# KiCad board master-circuit.kicad_pcb (continued)
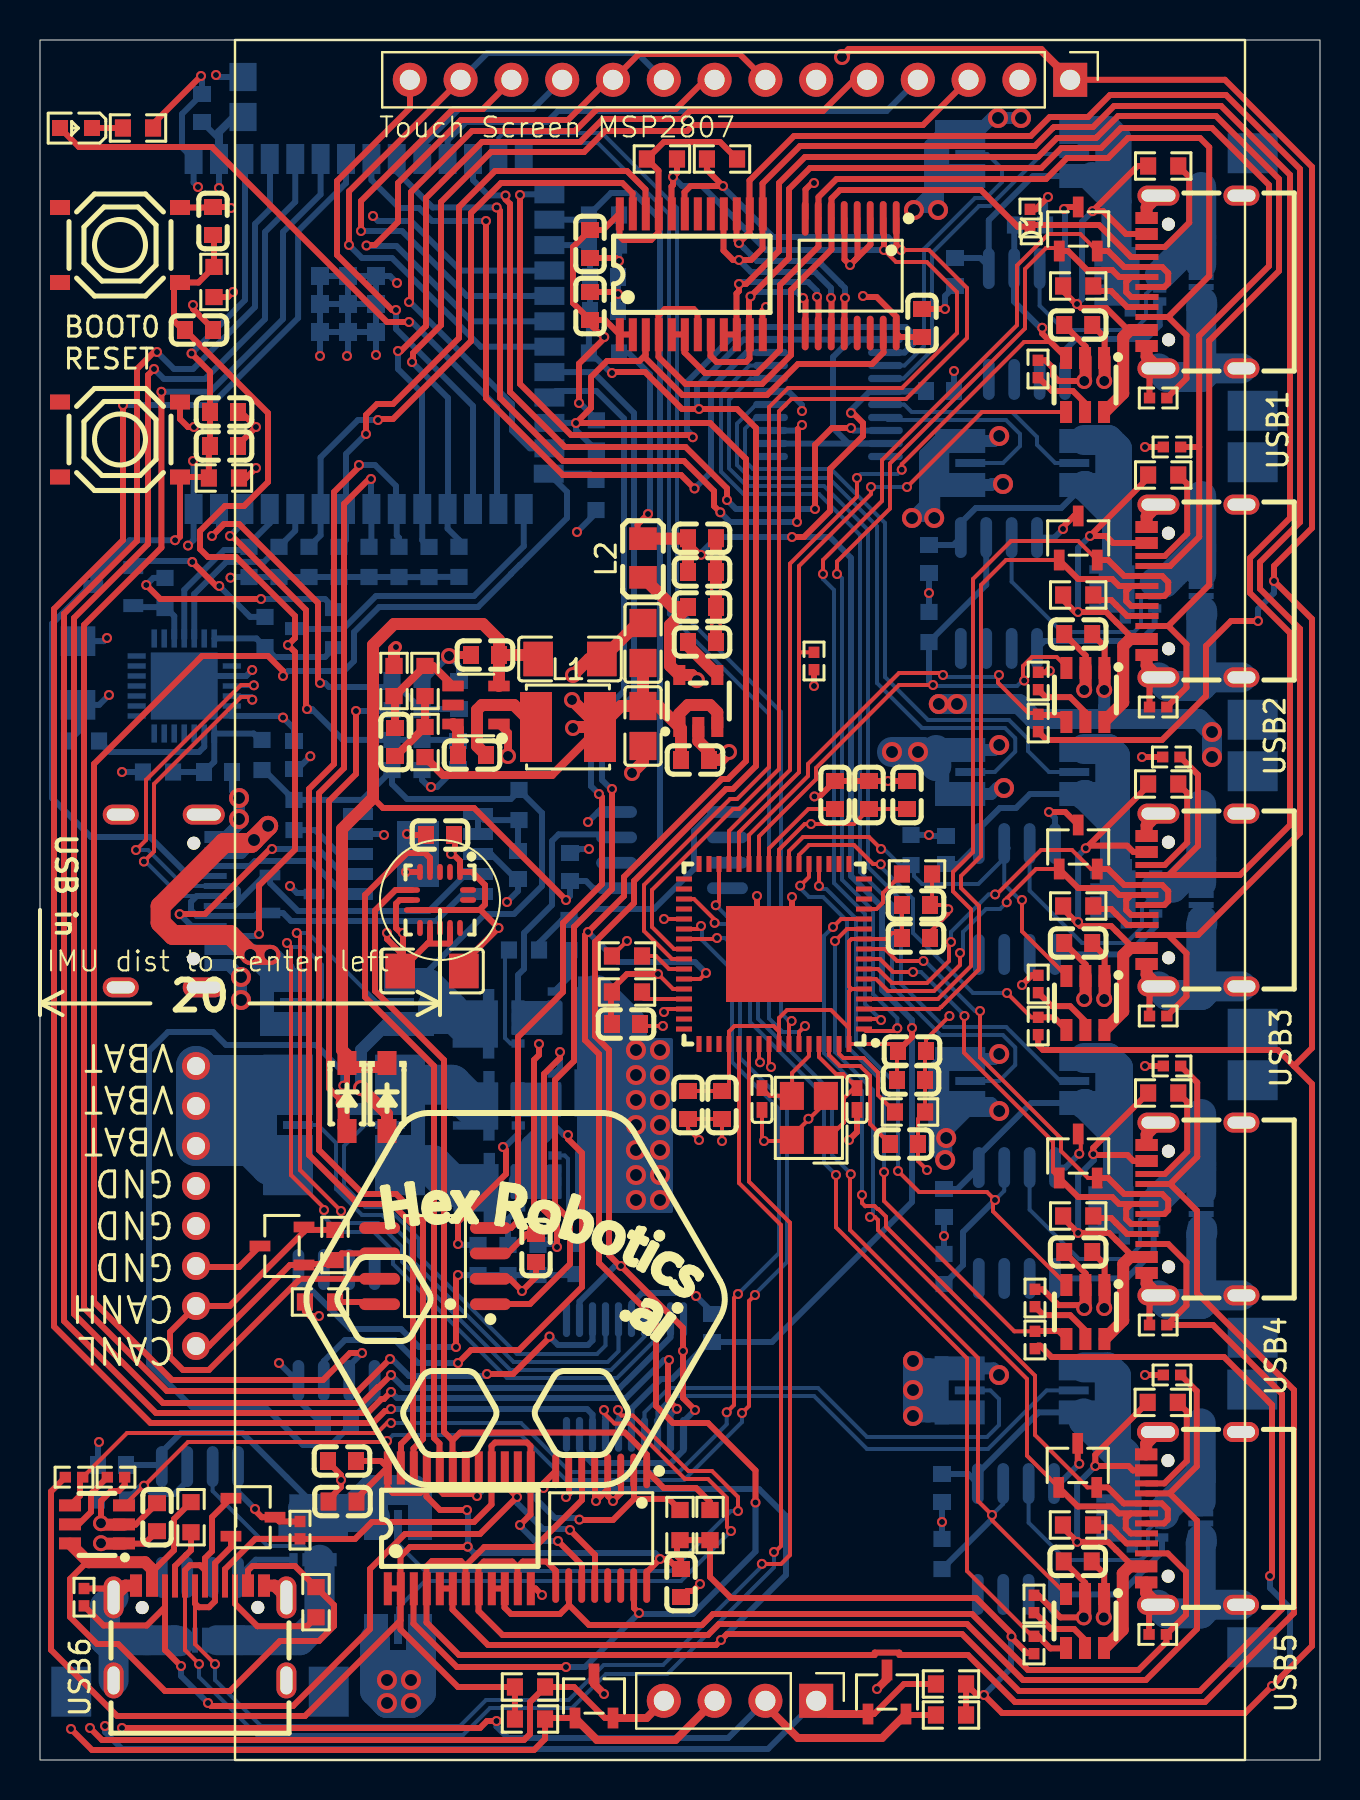
[diagram p0: board, top side]
## Routing (per net, layer and track width the routed paths; a pad name or vN(x,y) marks a point on that pad's centre or on a via; arc(x,y) is an arc through that point) (continued)
  Top w0.3: v1(26,35.4) 26,35.1 25.2,34.3 25.2,27.5 25.85,26.85 v1(25.85,25.65)
  Bottom w0.3: v1(26,35.4) 26,34.61 Q20.4 ; v1(25.85,25.65) 25.7,25.8 24.95,25.8 R92.2
/Gate2-vbus: length 2.4
  Bottom w0.3: R77.2 26.45,39.16 Q16.4
/Gate3-vbattery: length 2.1
  Bottom w0.3: 23.92,27.63 Q21.4 23.94,27.59 23.4,27.05 R93.2
/Gate4-vbattery: length 5.1
  Bottom w0.2: Q22.4 26.24,30.23 26.4,30.06 26.4,26.2 R94.2
/LDO-Bypass-Capacitor: length 2.3
  Top w0.6: U3.4 32.4,55.71 C9.2
/PD-VBUS-DETECT: length 3.7
  Bottom w0.3: R72.2 13.75,46.5 14.95,45.3 U42.8
/PD-VDD: length 4.7
  Bottom w0.3: C29.2 23.9,46.95 R68.2 22.2,47 U42.1 U42.2
/RBIAS: length 5.1
  Top w0.2: U24.63 39.95,35.32 40.17,35.1 41.18,35.1 41.9,34.38 41.9,33.25 R50.1
/RTS-GATE: length 11
  Top w0.3: v1(11.05,58.05) 6.01,58.05 v1(5.31,58.75)
  Bottom w0.3: 14.75,57.55 14.25,58.05 v1(11.05,58.05) ; v1(5.31,58.75) 5.67,59.1 R44.1
/servo-usb-connector1/CC1x: length 3.1
  Top w0.3: USB2.A5 54.35,57.2 53.81,57.74 53.81,57.75 53.56,58 52.91,58 R28.2
/servo-usb-connector1/CC2x: length 5.6
  Top w0.3: USB2.B5 56.24,60.2 57.36,61.32 57.36,63.8 R85.1
/servo-usb-connector1/ILIMx: length 3.3
  Top w0.3: 52.28,51.95 52.28,52.37 51.5,53.14 50.28,53.14 R55.2
/servo-usb-connector2/CC1x: length 3.1
  Top w0.3: USB3.A5 54.35,41.75 53.81,42.29 53.81,42.3 53.56,42.55 52.81,42.55 R46.2
/servo-usb-connector2/CC2x: length 5.6
  Top w0.3: R86.1 57.36,48.35 57.36,45.87 56.24,44.75 USB3.B5
/servo-usb-connector2/ILIMx: length 3.4
  Top w0.3: 49.91,38.37 50.58,37.69 51.5,37.69 52.28,36.92 52.28,36.5
/servo-usb-connector3/CC1x: length 3.1
  Top w0.3: USB4.A5 54.35,26.3 53.81,26.84 53.81,26.85 53.56,27.1 52.76,27.1 R59.2
/servo-usb-connector3/CC2x: length 5.6
  Top w0.3: USB4.B5 56.24,29.3 57.36,30.42 57.36,32.9 R87.1
/servo-usb-connector3/ILIMx: length 3.4
  Top w0.3: 52.28,21.05 52.28,21.47 51.5,22.24 50.17,22.24 49.75,22.67
/servo-usb-connector4/CC1x: length 3.1
  Top w0.3: USB5.A5 54.33,10.83 53.79,11.37 53.79,11.38 53.54,11.63 52.77,11.63 R65.2
/servo-usb-connector4/CC2x: length 5.6
  Top w0.3: R88.1 57.34,17.43 57.34,14.95 56.22,13.83 USB5.B5
/servo-usb-connector4/ILIMx: length 3.5
  Top w0.3: R67.2 49.73,7.37 50.55,6.55 51.71,6.55 52.26,6 52.26,5.58
/servo-usb-connector5/CC1x: length 3
  Top w0.3: USB6.A5 6.75,9.7 7.29,10.24 7.3,10.24 7.55,10.49 R71.2
/servo-usb-connector5/CC2x: length 5.6
  Top w0.3: USB6.B5 9.75,7.81 10.87,6.69 13.35,6.69 R89.1
/servo-usb-connector5/ILIMx: length 3.4
  Top w0.3: 3.37,14.14 2.55,13.32 2.55,12.4 1.92,11.77 1.5,11.77
/servo-usb-connector/CC1x: length 3.1
  Top w0.3: R13.2 52.91,73.45 53.56,73.45 53.81,73.2 53.81,73.19 54.35,72.65 USB1.A5
/servo-usb-connector/CC2x: length 5.7
  Top w0.3: USB1.B5 56.24,75.65 57.46,76.87 57.46,79.15 R76.1
/servo-usb-connector/ILIMx: length 3.3
  Top w0.3: R35.2 49.93,69.12 50.6,68.45 51.65,68.45 52.28,67.82 52.28,67.4
/Source-vbattery: length 31.7
  Top w0.3: v1(20.9,19.85) 21.55,20.5 23.95,20.5 27.1,23.65 27.1,30.35 26.4,31.05 v1(26.4,31.25)
  Bottom w0.3: v1(20.9,19.85) 18.9,19.85 17.75,21 15.25,21 14.19,19.94 U47.3 ; v1(26.4,31.25) 26.2,31.25 24.8,32.65 24.8,33.01
  Bottom w1: Q21.2 24.26,28.93 24.55,29.22 24.55,30.75 25.15,31.35 25.15,32.66 24.8,33.01
/Source-vbus: length 12.3
  Bottom w0.3: Q14.1 23.9,39.25 24.2,39.55 24.2,41.35 25.6,42.75 25.6,45.95 25.93,46.28 28.68,46.28 U46.3
/XTAL1: length 6.5
  Top w0.2: 40.82,33.63 40.82,33.63 40.15,34.3 39.8,34.3 38.95,35.15 U24.61 ; 40.82,33.63 40.73,33.63 40.2,33.1 40.2,31.88 39.34,31.01 39.3,31.01 X2.1 ; 40.82,33.63 C64.1
/XTAL2: length 4.6
  Top w0.2: C69.2 36.48,33.21 37.52,33.21 37.53,33.2 X2.3 37.6,33.21 37.6,34.35 38.45,35.2 U24.60
BATTERY_CURRENT: length 94.1
  Top w0.3: v1(17.5,20.05) 15.9,18.45 6.35,18.45 2.2,22.6 2.2,56.75 6.07,60.62 v1(6.07,68.41) ; v1(22.35,19.3) 23.65,19.3 25.47,21.12 v1(25.47,21.17)
  Bottom w0.3: v1(22.35,19.3) 22.25,19.2 18.45,19.2 17.6,20.05 v1(17.5,20.05) ; v1(6.07,68.41) 8.51,68.41 12.15,72.05 12.15,76.4 14.03,78.28 U1.6 ; v1(25.47,21.17) 25.9,20.75 27.4,20.75 27.62,20.97 U16.13
BATTERY_VOLTAGE: length 20.6
  Top w0.3: v1(14,53.85) 13.9,53.95 13.9,57.85 9.95,61.8 9.2,61.8 v1(8.6,61.2)
  Bottom w0.3: v1(14,53.85) 14.25,53.85 14.45,53.65 17.25,53.65 R48.1 19.1,52.5 R38.2 19.15,52.55 C11.2 ; U1.39 8.95,61.55 v1(8.6,61.2)
BOOT0: length 62.4
  Top w0.3: C25.2 8.7,76.2 R42.2 7.92,73.88 SW1.1 6.7,73.58 6.7,71.95 7.15,71.5 C4.2 11.4,67.35 11.4,63.9 10.2,62.7 9.25,62.7 8,61.45 8,60.55 8.4,60.15 9.8,60.15 12.75,57.2 12.75,56.1 v1(12.4,55.75) 12.75,55.4 12.75,45.53 10.95,43.72 v1(10.95,41.3)
  Bottom w0.3: U1.27 24.19,60.69 21.7,58.2 16.8,58.2 15.15,56.55 12.8,56.55 12.75,56.6 12.75,56.1 v1(12.4,55.75) ; USB0.B8 10.85,41.2 v1(10.95,41.3)
Buck-FB: length 5.6
  Top w0.4: U4.4 19.65,54.7 R56.1 17.74,53.2 R62.2 17.75,53.15 C6.1
CAN_RX: length 48.7
  Top w0.3: v1(27.95,48.3) 28.1,48.15 28.1,43.8 26.15,41.85 26.15,38.4 23.9,36.15 23.9,26.95 23.55,26.6 U17.4
  Bottom w0.3: v1(27.95,48.3) 27.55,48.7 27.55,51.81 29.2,53.46 29.2,67.07 27.82,68.45 25.8,68.45 U1.23
CAN_TX: length 54.8
  Top w0.3: U17.1 22.53,22.8 24.5,22.8 26.5,24.8 26.5,27 25.75,27.75 25.75,34 26.7,34.95 26.7,41.65 28.6,43.55 v1(28.6,48.55)
  Bottom w0.3: U1.22 27.66,69.39 29.7,67.35 29.7,53.25 28.1,51.65 28.1,49 28.55,48.55 v1(28.6,48.55)
CANH: length 24.5
  Top w0.3: U17.7 13,24.06 8.44,19.5 7.15,19.5 6.5,20.15 6.5,21.4 U19.2 9.48,22.7 13.2,26.42 D7.2 13.35,26.5 R16.2
CANL: length 11.1
  Top w0.3: U17.6 15.08,25.33 R16.1 14.75,25 14.55,24.8 13.25,24.8 D7.1 12.5,24.75 8.45,20.7 U19.1
CC1: length 12.8
  Top w0.3: v1(11.6,45.55) 11.5,45.55 8.25,42.3 7.06,42.3 7.06,42.29 v1(6.98,42.29)
  Bottom w0.3: v1(11.6,45.55) 13.9,45.55 15.15,44.3 U42.7 ; USB0.A5 7.58,41.7 v1(6.98,42.29)
CC2: length 7.9
  Bottom w0.3: USB0.B5 10.5,44.7 10.75,44.95 13.54,44.95 15.19,43.3 U42.6
CONNECT_BATTERY: length 79.8
  Top w0.3: v1(12.15,54.2) 12.15,54.45 11.4,55.2 8.1,55.2 2.7,49.8 2.7,22.9 6.6,19 14.15,19 15.5,20.35 v1(16.1,20.35)
  Bottom w0.3: v1(12.15,54.2) 12.4,54.45 15.2,54.45 15.7,54.95 15.7,56.39 16.96,57.65 21.9,57.65 23.55,59.3 23.55,59.31 23.99,59.75 24,59.75 26.35,62.1 26.35,63.41 U1.26 27.49,64.31 R11.2 ; U47.2 15.46,19.71 v1(16.1,20.35)
CONNECT_VBUS: length 40.3
  Bottom w0.3: U1.16 27.21,77.02 R12.2 28.55,78.35 29.7,78.35 31,77.05 31,45.95 29.91,44.86 U46.2
DTR: length 6.6
  Bottom w0.3: U10.28 10.82,56.08 R43.2 11.75,55.15 14.25,55.15 14.75,55.65
ENABLE-ESP32: length 48.9
  Top w0.3: v1(6.75,60.99) 6.77,60.97 6.8,60.97 7,61.17 SW2.1 8.39,64.15 R37.1 8.44,65.64 C1.2 C5.2 8.5,69.4 v1(7.58,70.33)
  Bottom w0.3: v1(7.58,70.33) 10.25,73 10.25,80.02 U1.3 ; v1(6.75,60.99) 4.48,60.99 2.66,59.17 2.66,58.7 2.49,58.7 0.6,56.81 0.6,48.1 2.55,46.15 5.5,46.15 7.45,44.2 USB0.A8
FSPICLK/SPI2_CLK: length 153.4
  Top w0.3: U35.7 34.98,85.3 29.94,85.3 U35.10 28.41,84.01 26.4,82 21.05,82 17.9,78.85 17.9,76.9 16.75,75.75 16.35,75.75 v1(16.32,75.72) ; 19.56,1 3.1,1 v1(2.5,1.6) ; D4.2 28.25,2.1 26.7,3.65 R14.1 24.5,2.9 24.5,1.3 24.2,1 19.6,1
  Top w0.4: U35.18 30.33,2.1 D4.2
  In1.Cu w0.3: v1(16.32,75.72) 15.3,74.7 7.3,74.7 1.75,69.15 1.75,2.35 v1(2.5,1.6)
  Bottom w0.3: U1.20 21.59,71.94 17.83,75.7 16.35,75.7 v1(16.32,75.72)
FSPICS0/MEMORY_CS: length 141
  Top w0.3: R9.1 43.2,3.8 41.7,2.3 D6.1
  Top w0.4: U35.15 39.47,2.3 D6.1
  In1.Cu w0.3: v1(3.25,1.7) 3.25,2.1 2.3,3.05 2.3,11.53 2.3,11.53 2.3,12.15 2.3,12.15 2.3,68.98 7.42,74.1 15.65,74.1 17,75.45 17,76.9 16.7,77.2 v1(16.65,77.2)
  Bottom w0.3: v1(3.25,1.7) 3.25,1.4 4.1,0.55 36.4,0.55 U35.15 ; v1(16.65,77.2) 16.9,76.95 18.55,76.95 21.03,74.47 U1.18
FSPID/SPI2_MOSI: length 172.5
  Top w0.3: v1(22.83,1.95) 22.35,1.95 22,1.6 v1(4.1,1.6) ; D6.2 43.35,2.25 R34.1 ; v1(16.05,76.45) 16.05,77.95 20.65,82.55 22.15,82.55 23.57,83.97 U35.12
  Top w0.4: U35.16 36.27,2.73 37.9,1.1 42.1,1.1 D6.2
  In1.Cu w0.3: v1(16.05,76.45) 15.15,76.45 14.65,75.95 7,75.95 0.65,69.6 0.65,1.55 1.3,0.9 3.4,0.9 v1(4.1,1.6)
  In2.Cu w0.3: U35.6 37.52,85.3 24.86,85.3 U35.12
  Bottom w0.3: U1.19 24.66,73.2 24.65,73.2 21.35,73.2 18.1,76.45 v1(16.05,76.45) ; v1(22.83,1.95) 22.83,1.68 23.4,1.1 34.41,1.1 U35.16
FSPIQ/SPI2_MISO: length 154
  Top w0.3: v1(15.45,75.75) 15.45,78.43 U35.13 ; D4.1 25.3,2.1 R15.1 25.25,1.05 24.7,0.5 2.6,0.5 v1(1.55,1.55)
  Top w0.4: U35.17 31.77,1 27.85,1 D4.1
  In1.Cu w0.3: v1(1.55,1.55) 1.2,1.9 1.2,69.4 7.1,75.3 15,75.3 v1(15.45,75.75)
  Bottom w0.3: U35.9 29.85,85.35 22.37,85.35 U35.13 ; U1.21 22.03,70.67 17.6,75.1 16.1,75.1 v1(15.45,75.75)
GUEST_USB_D+: length 34.5
  Top w0.2: v1(10.69,53.73) 10.68,53.75 10.05,53.75 5.3,49 5.3,46 v1(4.8,45.5)
  Bottom w0.2: v1(4.8,45.5) 5.4,45.5 7.2,43.7 USB0.B6 ; U10.4 10.66,53.7 v1(10.69,53.73)
  Bottom w0.3: U42.4 21.3,44.3 19.45,42.45 12.9,42.45 11.5,43.85 D8.2 11.25,44.25 9.7,42.7 ; USB0.A6 9.7,42.7 ; 9.7,42.7 9.9,42.9 9.9,43.49 9.69,43.7 USB0.B6
GUEST_USB_D-: length 33.3
  Top w0.2: v1(10.61,53.01) 10.48,53.15 10.05,53.15 5.7,48.8 5.7,45.43 v1(5.2,44.92)
  Bottom w0.2: v1(5.2,44.92) 5.28,44.92 7,43.2 USB0.A7 ; U10.5 10.56,53.2 10.61,53.14 v1(10.61,53.01)
  Bottom w0.3: U42.5 21.15,43.3 19.8,41.95 12.55,41.95 12.15,42.35 D8.1 10.9,42.35 10.75,42.2 USB0.B7 7.84,42.2 7.55,42.49 7.55,42.91 7.84,43.2 USB0.A7
I2C1_INTERNAL_SCL: length 64.9
  Top w0.2: U24.40 31.7,40.55 30.6,41.65 30.6,43.5 34.65,47.55 34.95,47.55 36.95,49.55 36.95,67.44 37.56,68.05 43.3,68.05 46.35,71.1 46.35,73.6 44.45,75.5 v1(43.05,75.5)
  Top w0.3: 42.82,77.07 42.82,75.72 v1(43.05,75.5) ; 32.22,77.32 32.22,78.4 32.53,78.7 v1(34.15,78.7) 33.35,79.5 R53.1
  Bottom w0.3: v1(34.15,78.7) 34.15,78.65 36.65,76.15 42.4,76.15 v1(43.05,75.5)
I2C1_INTERNAL_SDA: length 65.6
  Top w0.2: U24.41 31.6,40.05 30.2,41.45 30.2,43.75 34.5,48.05 34.86,48.05 36.45,49.64 36.45,67.64 37.41,68.6 43.1,68.6 45.85,71.35 45.85,73.39 44.34,74.9 42.8,74.9 v1(42.2,75.5)
  Top w0.3: R58.1 31.85,79.35 v1(31.65,79.15) 31.65,78.75 31.57,78.67 31.57,77.32 ; v1(42.2,75.5) 42.2,76.26 42.18,76.28 42.18,77.07
  Bottom w0.3: v1(31.65,79.15) 32.1,78.7 33.1,78.7 36.3,75.5 v1(42.2,75.5)
I2C1_SCL: length 31.6
  Top w0.3: 30.28,77.32 30.28,78.53 29.35,79.45 22.75,79.45 20.95,77.65 20.95,71.1 17.65,67.8 16.85,67.8 16.3,67.25 v1(16.3,66.3)
  Bottom w0.3: R24.1 15.3,61.01 U1.34 15.3,65.3 v1(16.3,66.3)
I2C1_SDA: length 31
  Top w0.3: v1(16.9,67) 16.95,67.05 17.65,67.05 21.55,70.95 21.55,77.35 23.05,78.85 29.12,78.85 29.62,78.34 29.62,77.32
  Bottom w0.3: v1(16.9,67) 15.9,67 14.03,65.13 U1.35 14.03,61.24 R25.1
I2C2_INTERNAL_SCL: length 47.1
  Top w0.3: 20.62,15.98 20.2,16.41 20.2,35 16.75,38.45 16.75,42.47 17.78,43.5 U18.6 ; 20.62,15.98 20.62,14.62 ; 20.62,15.98 21.02,16.37 29.24,16.37 30.35,15.26 30.35,14.44 31.19,13.6 32.8,13.6 33.5,12.9 R60.1
I2C2_INTERNAL_SDA: length 51.4
  Top w0.3: U18.4 19.5,45.1 19.25,45.35 18.35,45.35 16.25,43.25 16.25,38.15 19.7,34.7 19.7,16.1 19.97,15.83 19.97,13.5 20.17,13.3 21.75,13.3 v1(21.85,13.2) ; R64.1 31.45,13.05 29.7,13.05 29.7,13.05 ; v1(26.97,12.02) 26.99,12 28.65,12 29.7,13.05 ; 29.7,13.05 29.7,14.44
  Bottom w0.3: v1(26.97,12.02) 26.89,12.1 25.75,12.1 24.1,13.75 22.4,13.75 v1(21.85,13.2)
I2C2_SCL: length 57.3
  Top w0.3: 18.67,14.62 18.67,15.58 19.15,16.05 19.15,26.96 17.81,28.3 16.15,28.3 13.95,30.5 13.95,48.34 15.2,49.59 15.2,62.8 16.45,64.05 v1(16.55,64.05)
  Bottom w0.3: v1(16.55,64.05) 16.55,62.57 U1.33 16.57,60.99 16.45,60.87 R18.1
I2C2_SDA: length 60
  Top w0.3: 18.03,14.62 18.05,14.65 18.05,15.8 18.65,16.4 18.65,26.75 17.6,27.8 15.9,27.8 13.45,30.25 13.45,48.55 14.7,49.8 14.7,63.4 15.95,64.65 v1(15.95,64.75)
  Bottom w0.3: R17.1 17.95,61.11 17.84,61.22 U1.32 17.8,62.59 17.8,63.7 16.75,64.75 v1(15.95,64.75)
INTERNAL_GUEST_USB_D+: length 54.9
  Top w0.2: v1(38.25,36.7) 37.95,36.4 U24.59
  Bottom w0.2: v1(38.25,36.7) 37.95,36.4 37.13,36.4 36.45,37.08 36.45,52.29 31.45,57.29 31.45,77.29 27.89,80.85 24.45,80.85 24.19,80.59 U1.14
INTERNAL_GUEST_USB_D-: length 55.9
  Top w0.2: U24.58 37.45,36.82 v1(37.58,36.95)
  Bottom w0.2: U1.13 22.92,81.1 23.17,81.35 28.1,81.35 31.85,77.6 31.85,57.6 37.05,52.4 37.05,37.35 37.45,36.95 v1(37.58,36.95)
nOCS1: length 33.7
  Top w0.2: v1(41.55,63.65) 41.55,63.3 37.95,59.7 37.95,55.4 ; 51.33,67.4 47.1,67.4 v1(43.35,63.65) ; U24.28 34.95,46.38 37.95,49.38 37.95,55.4 ; R79.2 37.97,55.38 37.95,55.4
  Bottom w0.2: v1(41.55,63.65) v1(43.35,63.65)
nOCS2: length 22.4
  Top w0.2: U24.27 35.45,46.25 38.4,49.2 38.4,49.8 42.95,54.35 45.05,54.35 v1(45.15,54.25) ; R80.2 49.84,52.35 49.42,52.35 47.9,53.87 47.9,54.2 v1(47.95,54.25)
  Top w0.3: 51.33,51.95 51.03,52.25 49.94,52.25 R80.2
  Bottom w0.2: v1(47.95,54.25) 47.85,54.15 45.25,54.15 v1(45.15,54.25)
nOCS3: length 19
  Top w0.2: U24.22 37.95,45.25 38.45,45.75 40.7,45.75 41.65,44.8 42.05,44.8 v1(42.04,44.79) ; v1(48.35,38.35) 49.57,37.13 49.91,37.13
  Top w0.3: 49.91,37.13 50.7,37.13 51.33,36.5
  Bottom w0.2: v1(42.04,44.79) 42.04,44.66 43.65,43.05 43.65,41.35 46.65,38.35 v1(48.35,38.35)
nOCS4: length 31.2
  Top w0.2: v1(42.2,29.4) 42.2,27.95 48.72,21.43 R83.2 ; v1(38.01,43.72) 38.45,44.15 U24.21
  Top w0.3: R83.2 49.77,21.45 50.93,21.45 51.33,21.05
  Bottom w0.2: v1(38.01,43.72) 38.01,43.59 38.45,43.15 39.15,43.15 40.35,41.95 40.35,35.68 42.2,33.83 v1(42.2,29.4)
nOCS5: length 46.7
  Top w0.2: U24.35 32.7,43.05 33.73,42.02 v1(33.73,41.86) ; R84.2 49.62,6.18 46.35,9.45 46.35,20.08 39.8,26.63 v1(39.8,29.25)
  Top w0.3: 51.31,5.58 50.52,5.58 49.89,6.21 49.73,6.21 R84.2
  Bottom w0.2: v1(39.8,29.25) 39.2,29.85 39.2,33.2 35.5,36.9 35.5,40.7 34.4,41.8 33.79,41.8 v1(33.73,41.86)
nOCS6: length 65.5
  Top w0.2: v1(34.34,17.39) 34.7,17.75 34.7,23.1 v1(34.9,23.3) ; v1(33.05,41.7) 32.9,41.55 U24.38 ; 2.13,14.14 2.14,14.14 4.35,16.35 16.85,16.35 17.35,16.85 v1(17.55,16.85)
  Top w0.3: 1.5,12.72 2,13.22 2,14.01 2.13,14.14
  Bottom w0.2: v1(34.34,17.39) 34.34,16.79 31.95,14.4 26.5,14.4 24.05,16.85 v1(17.55,16.85) ; v1(34.9,23.3) 36.95,25.35 36.95,32.55 34.6,34.9 34.6,39.5 33.1,41 33.1,41.65 v1(33.05,41.7)
NRESET_ALL_MULTIPLEXERS: length 129.2
  Top w0.2: v1(33.3,39.35) 33,39.05 U24.43
  Top w0.3: 42.18,71.33 42.18,70.38 41.6,69.8 37.9,69.8 36.35,68.25 32.12,68.25 30.28,70.1 30.28,71.28 30.28,70.25 29.97,69.95 28.35,69.95 27.55,69.15 27.55,67.6 v1(26.8,66.85) 33.5,66.85 35.3,65.05 35.3,49.95 34.4,49.05 34.09,49.05 29.2,44.16 29.2,43.2 v1(27.4,41.4) 27.25,41.25 27.25,35.99 27.95,35.29 27.95,24.85 30.8,22 30.8,17.7 31.65,16.85 33.4,16.85 35.78,14.47 v1(35.78,12.88) ; 29.7,8.71 29.7,7.6 v1(29.95,7.35) ; v1(26.3,4.65) 20.84,4.65 18.67,6.82 18.67,8.58
  Bottom w0.3: R29.1 26.8,66.5 v1(26.8,66.85) 26.8,66.86 25.47,66.86 ; v1(26.3,4.65) 27.25,4.65 v1(29.95,7.35) 30,7.3 32.65,7.3 35.78,10.43 v1(35.78,12.88) ; v1(33.3,39.35) 32.75,39.9 28.9,39.9 v1(27.4,41.4)
PRTPWR1: length 43.6
  Top w0.2: 51.33,70.1 50.53,70.9 49.2,70.9 43.09,64.79 v1(43.09,64.51) ; U24.29 34.45,46.45 37.5,49.5 37.5,59.82 40.85,63.17 v1(40.85,64.1)
  Top w0.3: v1(50.11,71.61) 50.11,71.32 51.33,70.1
  Bottom w0.2: v1(40.85,64.1) 41.05,64.3 42.87,64.3 v1(43.09,64.51)
  Bottom w0.3: v1(50.11,71.61) 50.01,71.61 48.7,72.92 48.7,74.56 48.71,74.57 48.71,76.71 R73.2
PRTPWR2: length 30.2
  Top w0.2: 51.33,54.65 50.83,55.15 49.6,55.15 49.15,54.7 49.15,54.03 v1(49.21,53.97) ; U24.26 35.95,46.18 38.8,49.03 38.8,49.6 42.95,53.75 v1(44.65,53.75)
  Bottom w0.2: v1(49.21,53.97) 49.13,53.97 48.85,53.7 44.7,53.7 v1(44.65,53.75)
  Bottom w0.3: v1(44.65,53.75) 44.45,53.95 R74.2 47.31,58.76 47.31,61.12
PRTPWR3: length 22.5
  Top w0.2: v1(49.1,43) 49.1,41.43 51.33,39.2 ; v1(42.05,45.55) 41.45,46.15 38.15,46.15 37.45,45.45 U24.23
  Bottom w0.2: 48.21,45.82 48.21,45.09 46.92,43.8 44.1,43.8 43.7,44.2 43.7,44.6 R78.2 43,44.75 42.2,45.55 v1(42.05,45.55) ; 48.21,45.82 48.21,43.79 49,43 v1(49.1,43) ; 48.21,45.82 48.44,45.59
PRTPWR4: length 35.5
  Top w0.2: v1(38.95,43.7) U24.20 ; v1(42.9,29.45) 43.95,28.4 47.35,28.4 v1(47.75,28) 47.65,27.9 47.65,27.43 51.33,23.75
  Bottom w0.2: v1(38.95,43.7) 39.1,43.55 39.32,43.55 40.75,42.12 40.75,42.1 40.8,42.05 40.8,35.8 42.9,33.7 v1(42.9,29.45) ; 48.21,29.62 48.21,28.46 v1(47.75,28)
  Bottom w0.3: v1(47.75,28) 46.15,26.4 46.15,24.75 R95.2
PRTPWR5: length 49.6
  Top w0.2: v1(33.79,42.74) 33.95,42.9 U24.30 ; 51.31,8.28 47.6,11.99 v1(47.6,12.25) 46.9,12.95 46.9,20.1 40.5,26.5 40.5,29.25 v1(40.54,29.29)
  Bottom w0.2: v1(40.54,29.29) 40.55,29.3 39.6,30.25 39.6,33.37 35.9,37.07 35.9,40.87 34.57,42.2 34.33,42.2 v1(33.79,42.74) ; v1(47.6,12.25) 48.16,12.81 U48.2
  Bottom w0.3: v1(47.6,12.25) 47.6,12.05 R102.2
PRTPWR6: length 67.5
  Top w0.2: v1(33.85,41.1) 33.8,41.05 U24.39 ; v1(35.75,23.25) 35.45,22.95 35.45,17.7 v1(35.1,17.35) ; v1(17.35,15.95) 17.3,15.9 7.4,15.9 5.22,13.72 v1(5.2,13.72) 4.2,12.72
  Bottom w0.2: v1(35.75,23.25) 35.75,23.3 37.35,24.9 37.35,32.75 35,35.1 35,40.35 34.25,41.1 v1(33.85,41.1) ; v1(17.35,15.95) 17.65,16.25 24.05,16.25 26.3,14 32.2,14 35.1,16.9 v1(35.1,17.35)
  Bottom w0.3: U49.2 7.36,13.94 6.72,13.3 5.62,13.3 v1(5.2,13.72) 5.13,13.65 5,13.65 R109.2
REFERENCE: length 113
  Top w0.3: v1(32.75,17.5) 32.15,18.1 v1(32.15,20.45) 32.15,21.6 v1(29.05,24.7) 29,24.7 28.45,25.25 28.45,35.5 27.75,36.2 27.75,40.9 29.7,42.85 29.7,43.95 34.3,48.55 34.65,48.55 35.8,49.7 35.8,66.6 34.85,67.55 v1(32.95,67.55) 32.1,67.55 30.25,69.4 28.65,69.4 v1(28.6,69.35)
  Bottom w0.3: U16.12 26.97,22.92 28.75,24.7 v1(29.05,24.7) ; v1(32.15,20.45) 32.15,22 U16.20 ; U1.17 27.25,75.75 27.26,75.75 R22.2 27.5,75.7 C35.2 C34.2 27.45,72.4 R21.1 27.55,70.35 28.55,69.35 v1(28.6,69.35) ; U11.12 U11.9 40.43,65.83 39.65,66.6 39.65,70.15 40.53,71.03 U11.1 U11.20 35.18,71.03 32.85,68.69 32.85,67.65 v1(32.95,67.55) ; v1(32.75,17.5) 32.18,16.92 U16.1 32.18,15.49 31.54,14.85 27.6,14.85 26.97,15.47 U16.9
RTS: length 3.4
  Bottom w0.3: U10.24 6.71,57.2 6.31,57.6 R44.2 6.01,57.6 5.96,57.65 4.77,57.65 4.66,57.75
RX: length 9.7
  Bottom w0.3: U10.26 7.71,58.3 9.32,59.9 11.2,59.9 R32.1 12.76,61.47 U1.36
SCREEN_CS: length 48.3
  Top w0.3: 45.91,84.01 U35.3 46.41,84.01 44.15,81.75 32.65,81.75 32.35,81.45 28.26,81.45 27.21,80.4 22.55,80.4 20.05,77.9 20.05,71.74 18.65,70.34 18.65,69.95 v1(18.6,69.9)
  Bottom w0.3: R27.1 20.95,60.66 20.95,61 20.38,61.57 U1.30 20.4,62.57 20.4,68.1 v1(18.6,69.9)
SCREEN_DC: length 43.4
  Top w0.3: v1(17.9,70.45) 18.05,70.45 19.3,71.7 19.3,78.1 22.1,80.9 27,80.9 28.15,82.05 32.1,82.05 32.5,82.45 39.15,82.45 40.71,84.01 U35.5 ; U35.5 41.26,84.01 ; U35.5 41.26,84.01
  Bottom w0.3: v1(17.9,70.45) 17.9,69.55 19.1,68.35 19.1,62.56 U1.31 19.11,60.99 R26.1
SCREEN_LED: length 33.9
  Top w0.3: U35.8 33.26,84.01 31.8,82.55 27.85,82.55 26.75,81.45 21.6,81.45 18.55,78.4 18.55,73 v1(18.45,72.9)
  Bottom w0.3: U1.25 24.49,65.58 23.6,66.47 23.6,67.8 18.5,72.9 v1(18.45,72.9)
SCREEN_RESET: length 25.7
  Bottom w0.3: U35.4 42.33,82.45 25.9,82.45 25.35,81.9 21.3,81.9 20.38,80.98 U1.11
SERVO1_BOOT0: length 39.2
  Top w0.3: USB1.A8 54.55,75.15 52.95,76.75 49.58,76.75 49.5,76.67 48.88,76.67 47.05,78.5 40,78.5 39.57,78.08 39.57,75.53 37.55,73.5 37.55,70.25 36.1,68.8 32.28,68.8 30.93,70.15 30.93,72.22 31.25,72.55 32.68,72.55 32.88,72.35 32.88,71.28
SERVO1_CURRENT: length 38.2
  Top w0.3: v1(24,78.25) 24,68.8 26.55,66.25 32.53,66.25 v1(32.64,66.14)
  Bottom w0.3: U11.2 43.22,70.38 43.7,70.85 43.7,71.24 43.29,71.65 35.1,71.65 32.35,68.9 32.35,66.5 32.64,66.21 v1(32.64,66.14) ; U1.15 24.03,78.28 v1(24,78.25)
SERVO1_NRST: length 51.9
  Top w0.3: 56.41,72.15 USB1.B8 ; 56.41,72.15 57.32,71.24 57.32,69.08 R96.2 ; 56.41,72.15 58.46,74.2 58.46,80.64 58,81.1 54.4,81.1 53.4,80.1 51.35,80.1 50.3,79.05 39.82,79.05 38.93,78.15 38.93,75.67 37,73.75 37,70.5 35.85,69.35 33.25,69.35 32.22,70.38 32.22,71.28 31.57,71.28
SERVO2_BOOT0: length 66.8
  Top w0.3: USB2.A8 56.51,59.7 57.96,61.15 57.96,65.65 ; 57.96,65.65 R104.2 ; 57.96,65.65 57.96,71.21 61.45,74.7 61.45,78.75 58.6,81.6 54.05,81.6 53.05,80.6 51.07,80.6 50.07,79.6 38.5,79.6 37.45,78.55 37.45,75.1 35.53,73.18 v1(35.52,73.18) 35.45,73.1 35.45,71.3 35.47,71.28 35.47,70.08 35.3,69.9 33.83,69.9 33.53,70.2 33.53,71.28 ; 38.28,71.33 38.28,72.97 v1(38.15,73.1)
  Bottom w0.3: v1(35.52,73.18) 35.75,73.4 37.85,73.4 v1(38.15,73.1)
SERVO2_CURRENT: length 38.1
  Top w0.3: v1(38.75,62.55) 38.75,65.75 39.6,66.6 v1(40.55,66.6) ; v1(23.27,78.23) 23.27,78.03 23.5,77.81 23.5,68.4 26.25,65.65 32.28,65.65 34.35,63.58 v1(34.35,63)
  Bottom w0.3: U1.12 21.65,79 22.42,78.23 v1(23.27,78.23) ; v1(40.55,66.6) 40.68,66.47 U11.8 ; v1(38.75,62.55) 34.8,62.55 v1(34.35,63)
SERVO2_NRST: length 73.8
  Top w0.3: 56.41,56.7 58.46,58.75 58.46,70.96 61.95,74.45 61.95,79.05 58.8,82.2 53.91,82.2 52.86,81.15 52.85,81.15 52.8,81.1 50.85,81.1 49.9,80.15 38.25,80.15 36.95,78.85 36.95,75.45 35.3,73.8 v1(34.95,73.8) 34.95,73.45 34.82,73.33 34.82,71.28 34.18,71.28 ; 56.41,56.7 USB2.B8 ; 56.41,56.7 57.32,55.79 57.32,53.63 R97.2 ; 38.93,71.33 38.93,73.09 v1(38.85,73.16)
  Bottom w0.3: v1(34.95,73.8) 35.05,73.9 38.4,73.9 38.85,73.45 v1(38.85,73.16)
SERVO3_BOOT0: length 94.7
  Top w0.3: 34.18,77.32 34.18,75.47 34.65,75 v1(34.95,75) 35.55,75 36.12,75.58 36.12,78.83 38,80.7 49.74,80.7 50.64,81.6 50.65,81.6 50.7,81.65 52.65,81.65 53.7,82.7 59.06,82.7 62.5,79.26 62.5,62.1 60.5,60.1 60.5,58.35 62.5,56.35 62.5,46.75 60,44.25 USB3.A8 56.45,44.25 57.9,45.7 57.9,49.26 57.01,50.15 R105.2 ; 39.57,71.33 39.57,73.08 v1(39.55,73.1)
  Bottom w0.3: v1(34.95,75) 35.55,74.4 38.75,74.4 39.55,73.6 v1(39.55,73.1)
SERVO3_CURRENT: length 40.5
  Top w0.3: v1(34.01,62.39) 33.7,62.7 33.7,63.45 32.2,64.95 26.15,64.95 23,68.1 23,77.46 v1(22.83,77.63) ; v1(37.85,61.9) 37.9,61.95 37.9,66.55 v1(38.1,66.75)
  Bottom w0.3: U1.9 17.84,79.42 19.63,77.63 v1(22.83,77.63) ; v1(38.1,66.75) 37.82,66.47 U11.13 ; v1(37.85,61.9) 34.5,61.9 v1(34.01,62.39)
SERVO3_NRST: length 93.7
  Top w0.3: 56.41,41.25 57.9,41.25 63,46.35 63,56.56 61,58.56 61,59.89 63,61.89 63,79.55 59.3,83.25 53.5,83.25 52.4,82.15 50.49,82.15 49.54,81.2 37.7,81.2 35.47,78.97 35.47,76.37 v1(34.95,75.85) 34.82,75.97 34.82,77.32 ; 56.41,41.25 57.32,40.34 57.32,38.18 R98.2 ; 56.41,41.25 USB3.B8 ; v1(40.25,73.1) 40.22,73.08 40.22,71.33
  Bottom w0.3: v1(34.95,75.85) 35.19,75.6 35.2,75.6 35.55,75.25 35.55,75.24 35.84,74.95 38.9,74.95 39.05,74.8 39.06,74.8 40.05,73.81 40.05,73.8 40.25,73.6 v1(40.25,73.1)
SERVO4_BOOT0: length 93.8
  Top w0.3: 27.1,14.44 27.1,13 24.75,10.65 22.22,10.65 21.28,9.71 ; 21.28,9.71 21.28,8.58 ; 21.28,9.71 21.03,9.95 19.6,9.95 19.33,9.68 19.33,6.88 20.95,5.25 41.73,5.25 41.73,5.37 42.97,5.37 42.97,5.25 46.4,5.25 48.75,2.9 58.25,2.9 62.7,7.35 62.7,18.5 57.85,23.35 57.85,27.46 56.51,28.8 ; R106.2 57.86,33.87 57.86,30.15 56.51,28.8 ; 56.51,28.8 USB4.A8
SERVO4_CURRENT: length 37.9
  Top w0.3: v1(22.3,76.95) 22.3,68.09 26.14,64.25 32.05,64.25 32.72,63.58 v1(32.73,63.58)
  Bottom w0.3: U11.19 35.32,70.38 33.55,68.6 33.55,64.4 v1(32.73,63.58) ; U1.8 16.57,79 17.97,77.6 18.95,77.6 19.6,76.95 v1(22.3,76.95)
SERVO4_NRST: length 91.5
  Top w0.3: USB4.B8 56.41,25.8 57.32,24.89 57.32,22.73 R99.2 58.65,21.75 62.1,18.3 62.1,7.55 58,3.45 48.95,3.45 46.1,6.3 34.35,6.3 v1(34.05,6) 33.8,5.75 22.4,5.75 20.62,7.53 20.62,8.58 19.97,8.58 ; v1(26.3,13.15) 26.45,13.3 26.45,14.44
  Bottom w0.3: v1(34.05,6) 37.3,9.25 37.3,12.2 35.95,13.55 26.7,13.55 v1(26.3,13.15)
SERVO5_BOOT0: length 62.6
  Top w0.3: 23.88,9.65 23.61,9.92 22.19,9.92 21.92,9.65 21.92,7.45 23.13,6.25 33.4,6.25 33.95,6.8 46.35,6.8 49.15,4 55.29,4 57.85,6.56 57.85,11.97 56.49,13.33 ; 23.88,9.65 24.14,9.92 25.33,9.92 25.8,9.45 25.8,8.71 ; 23.88,9.65 23.88,8.58 ; 56.49,13.33 USB5.A8 ; 56.49,13.33 57.84,14.68 57.84,18.45 R107.2
SERVO5_CURRENT: length 102.3
  Top w0.3: v1(31.84,17.56) 31.78,17.62 31.4,18 31.4,19.95 v1(31.45,20) ; v1(17.55,18.4) 17.2,18.05 17.08,18.05 16.38,17.35 5.8,17.35 1.2,21.95 1.2,57.31 4.85,60.96 4.85,69.55 5.7,70.4 v1(5.85,70.4)
  Bottom w0.3: U16.2 31.53,17.28 31.81,17.56 v1(31.84,17.56) ; v1(5.85,70.4) 6.7,69.55 7.65,69.55 10.75,72.65 10.75,76.8 11.5,77.55 11.5,80.04 U1.4 ; v1(17.55,18.4) 17.85,18.1 29.3,18.1 31.2,20 v1(31.45,20)
SERVO5_NRST: length 44.6
  Top w0.3: 22.58,8.58 23.22,8.58 23.22,7.62 23.55,7.3 26,7.3 26.45,7.75 ; 26.45,8.71 26.45,7.75 ; 26.45,7.75 27.45,6.75 33.1,6.75 33.65,7.3 46.6,7.3 49.4,4.5 54.93,4.5 56.32,5.89 R100.2 57.3,7.26 57.3,9.42 56.39,10.33 USB5.B8
SERVO6_BOOT0: length 29.7
  Top w0.3: v1(24,11.75) 24.53,12.28 24.53,15.7 24.35,15.87 22.75,15.87 22.58,15.7 22.58,12.78 21.7,11.9 16.6,11.9 15.75,11.05 13.01,11.05 R108.2 10.77,11.06 9.25,9.54 USB6.A8 ; v1(25.9,10.95) 27.1,9.75 27.1,8.71
  Bottom w0.3: v1(25.9,10.95) 24.75,10.95 24,11.7 v1(24,11.75)
SERVO6_CURRENT: length 97.3
  Top w0.3: v1(4.15,67.75) 4.15,61 0.7,57.55 0.7,21.67 5.53,16.85 16.65,16.85 17.25,17.45 17.45,17.45 v1(17.55,17.55)
  Bottom w0.3: v1(17.55,17.55) 27.35,17.55 27.62,17.28 U16.8 ; v1(4.15,67.75) 8.56,67.75 12.9,72.1 12.9,76.45 15.3,78.84 U1.7
SERVO6_NRST: length 43.2
  Top w0.3: 23.88,14.62 23.85,14.6 v1(23.85,13.15) ; 6.25,7.64 USB6.B8 ; 6.25,7.64 5.34,6.73 3.18,6.73 R101.2 ; 6.25,7.64 6.25,5.5 v1(7.05,4.7) ; v1(8.4,2.85) 8.55,2.7 12.65,2.7 16.5,6.55 16.5,9.55 18.25,11.3 22,11.3 v1(23.85,13.15) ; 23.22,14.62 23.22,13.78 v1(23.85,13.15) ; v1(26.5,11.5) 27.75,10.25 27.75,8.71
  Bottom w0.3: v1(8.4,2.85) 7.05,4.2 v1(7.05,4.7) ; v1(23.85,13.15) 23.85,12.85 25.15,11.55 26.45,11.55 v1(26.5,11.5)
